# Altium PCB PS-010.PcbDoc (part 1 of 3) (continued)
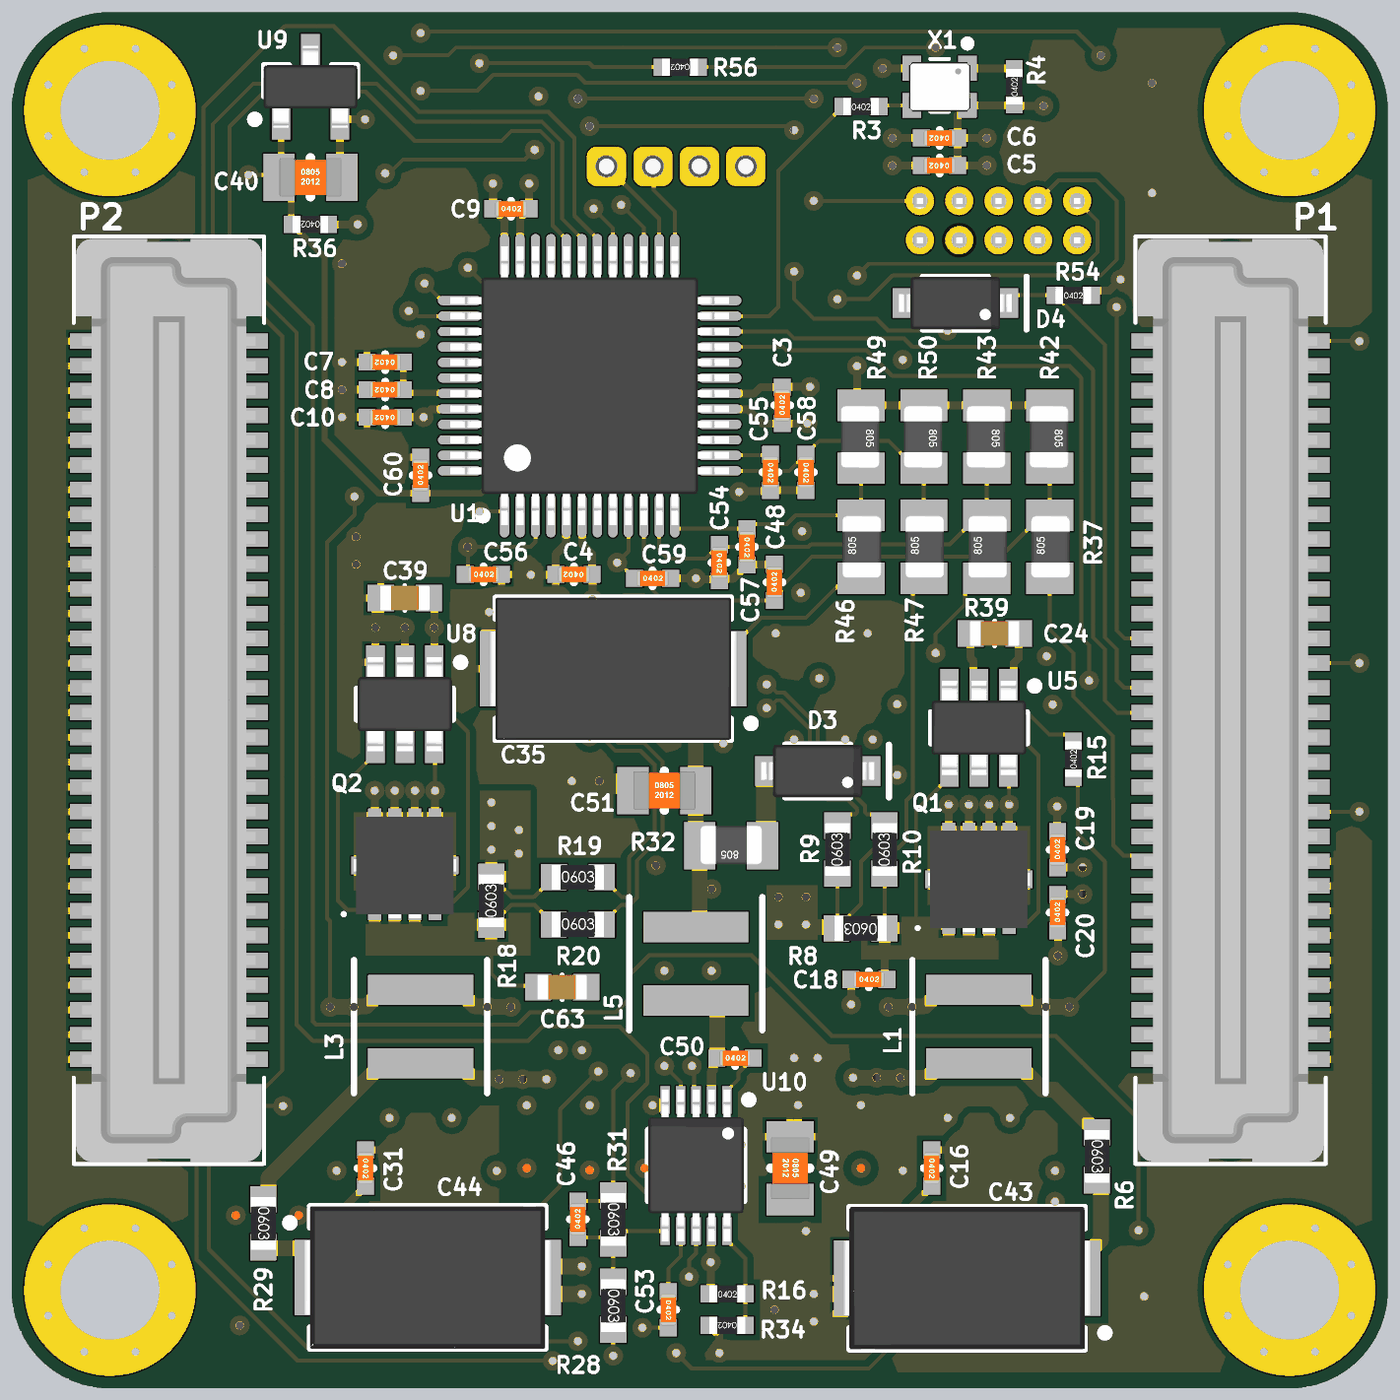
[diagram p7: 3D render of the assembled board from below, using the file's embedded part models]

## Layer stack, top to bottom
Top Solder: solder mask 0.5, Solder Resist, Dk 3.8
L1 - Top Layer: signal copper 1.4
Dielectric 2: prepreg 4, PP-006, Dk 4.05
L2 - GND: plane copper 0.689, net GND
Dielectric 1: core 50, Core-043, Dk 4.3
L3 - PWR: plane copper 0.689, net (Multiple Nets)
Dielectric 3: prepreg 4, PP-006, Dk 4.05
L4 - Bottom Layer: signal copper 1.4
Bottom Solder: solder mask 0.5, Solder Resist, Dk 3.8

## Board outline
1000,1125 1000,2625 cw(c1125,2625) 1125,2750 2625,2750 cw(c2625,2625) 2750,2625 2750,1125 cw(c2625,1125) 2625,1000 1125,1000 cw(c1125,1125)
board region "Default Layer Stack Region": 1000,1125 1000,2625 1000,2633.19 1002.14,2649.44 1006.38,2665.27 1012.65,2680.4 1020.84,2694.59 1030.82,2707.59 1042.4,2719.18 1055.4,2729.16 1069.59,2737.35 1084.73,2743.62 1100.56,2747.86 1116.81,2750 1125,2750 2625,2750 2633.19,2750 2649.44,2747.86 2665.27,2743.62 2680.4,2737.35 2694.6,2729.16 2707.6,2719.18 2719.18,2707.59 2729.16,2694.59 2737.35,2680.4 2743.62,2665.27 2747.86,2649.44 2750,2633.19 2750,2625 2750,1125 2750,1116.81 2747.86,1100.56 2743.62,1084.73 2737.35,1069.59 2729.16,1055.4 2719.18,1042.4 2707.6,1030.82 2694.6,1020.84 2680.41,1012.65 2665.27,1006.38 2649.44,1002.14 2633.19,1000 2625,1000 1125,1000 1116.81,1000 1100.56,1002.14 1084.73,1006.38 1069.6,1012.65 1055.4,1020.84 1042.4,1030.82 1030.82,1042.4 1020.84,1055.4 1012.65,1069.59 1006.38,1084.73 1002.14,1100.56 1000,1116.81
board region "Default Layer Stack Region": 1000,1125 1000,2625 1000,2633.19 1002.14,2649.44 1006.38,2665.27 1012.65,2680.4 1020.84,2694.59 1030.82,2707.59 1042.4,2719.18 1055.4,2729.16 1069.59,2737.35 1084.73,2743.62 1100.56,2747.86 1116.81,2750 1125,2750 2625,2750 2633.19,2750 2649.44,2747.86 2665.27,2743.62 2680.4,2737.35 2694.6,2729.16 2707.6,2719.18 2719.18,2707.59 2729.16,2694.59 2737.35,2680.4 2743.62,2665.27 2747.86,2649.44 2750,2633.19 2750,2625 2750,1125 2750,1116.81 2747.86,1100.56 2743.62,1084.73 2737.35,1069.59 2729.16,1055.4 2719.18,1042.4 2707.6,1030.82 2694.6,1020.84 2680.41,1012.65 2665.27,1006.38 2649.44,1002.14 2633.19,1000 2625,1000 1125,1000 1116.81,1000 1100.56,1002.14 1084.73,1006.38 1069.6,1012.65 1055.4,1020.84 1042.4,1030.82 1030.82,1042.4 1020.84,1055.4 1012.65,1069.59 1006.38,1084.73 1002.14,1100.56 1000,1116.81
board region "Layer Stack Region 1": 1000,1125 1000,2625 1000,2633.19 1002.14,2649.44 1006.38,2665.27 1012.65,2680.4 1020.84,2694.59 1030.82,2707.59 1042.4,2719.18 1055.4,2729.16 1069.59,2737.35 1084.73,2743.62 1100.56,2747.86 1116.81,2750 1125,2750 2625,2750 2633.19,2750 2649.44,2747.86 2665.27,2743.62 2680.41,2737.35 2694.6,2729.16 2707.6,2719.18 2719.18,2707.6 2729.16,2694.6 2737.35,2680.4 2743.62,2665.27 2747.86,2649.44 2750,2633.19 2750,2625 2750,1125 2750,1116.81 2747.86,1100.56 2743.62,1084.73 2737.35,1069.59 2729.16,1055.4 2719.18,1042.4 2707.6,1030.82 2694.6,1020.84 2680.41,1012.65 2665.27,1006.38 2649.44,1002.14 2633.19,1000 2625,1000 1125,1000 1116.81,1000 1100.56,1002.14 1084.73,1006.38 1069.59,1012.65 1055.4,1020.84 1042.4,1030.82 1030.82,1042.4 1020.84,1055.4 1012.65,1069.59 1006.38,1084.73 1002.14,1100.56 1000,1116.81

## Design rules (kind name [scope] priority, off if disabled: settings)
AssemblyTestPointUsage AssemblyTestPointUsage_1 [All] p2:
AssemblyTestpoint AssemblyTestpoint_1 [All] p2: testpointundercomponent=TRUE minsize=40 maxsize=100 preferedsize=60 minholesize=0 maxholesize=40 preferedholesize=32 testpointgrid=1 usegrid=TRUE gridtolerance=0.01 allowsidetop=TRUE allowsidebottom=TRUE
BoardOutlineClearance [All] p1: gap=20 ignorepadtopadclearanceinfootprint=FALSE except(0: Arc-SplitContinuation Track-SplitContinuation SMDPad-SplitContinuation THPad-SplitContinuation Via-SplitContinuation Fill-SplitContinuation Poly-SplitContinuation Region-SplitContinuation Text-SplitContinuation)
Clearance Clearance_HV [InNetClass('HIghVoltage')] p1: gap=6 ignorepadtopadclearanceinfootprint=FALSE except(10: Arc-Poly Track-Poly SMDPad-Poly THPad-Poly Via-Poly Fill-Poly Poly-Poly Poly-Region Poly-Text Poly-Hole)
Clearance [All] p2: gap=5 ignorepadtopadclearanceinfootprint=FALSE except(8: Arc-Poly Track-Poly SMDPad-Poly THPad-Poly Via-Poly Fill-Poly Poly-Poly Poly-Region Poly-Text Poly-Hole)
ComponentClearance ComponentClearance_Top [OnTop vs OnTop] p1: gap=10 collisioncheckmode=3 verticalgap=100000 showdistances=FALSE
ComponentClearance ComponentClearance_Bottom [OnBottom vs OnBottom] p2: gap=10 collisioncheckmode=3 verticalgap=100000 showdistances=FALSE
DiffPairsRouting [All] p1: maxlimit=5 minlimit=5 mostfreqgap=5 toplayer_minwidth=5 toplayer_maxwidth=5 toplayer_prefwidth=5 bottomlayer_minwidth=5 bottomlayer_maxwidth=5 bottomlayer_prefwidth=5 impedanceprofiledriven=TRUE impedanceprofileid={FBA8A629-7972-4F76-A7E5-5756DC662DF8} impedanceprofilevalue=100.000000 maxuncoupledlength=500
FabricationTestPointUsage FabricationTestPointUsage_1 [All] p2: valid=0 allowmultiple=FALSE
FabricationTestpoint FabricationTestpoint_1 [All] p2: side=3 testpointundercomponent=TRUE minsize=40 maxsize=100 preferedsize=60 minholesize=0 maxholesize=40 preferedholesize=32 testpointgrid=1 allowsidetop=TRUE allowsidebottom=TRUE usegrid=TRUE gridtolerance=0.01
FanoutControl Fanout_LCC [IsLCC] p1: bgadir=Out bgaviamode=Centered fanoutstyle=Auto fanoutdirection=Alternating viagrid=1 // Fanout_LCC (Default Rule)
FanoutControl Fanout_BGA [IsBGA] p2: bgadir=Out bgaviamode=Centered fanoutstyle=Auto fanoutdirection=Alternating viagrid=1 // Fanout_BGA (Default Rule)
FanoutControl Fanout_Default [All] p4: bgadir=Out bgaviamode=Centered fanoutstyle=Auto fanoutdirection=Alternating viagrid=1 // Fanout_Default (Default Rule)
FanoutControl Fanout_Small [(CompPinCount < 5)] p5: bgadir=Out bgaviamode=Centered fanoutstyle=Auto fanoutdirection=OutThenIn viagrid=1 // Fanout_Small (Default Rule)
FanoutControl Fanout_BGA_1 [IsBGA] p6: bgadir=Out bgaviamode=Centered fanoutstyle=Auto fanoutdirection=Alternating viagrid=1 // Fanout_BGA (Default Rule)
FanoutControl Fanout_LCC_1 [IsLCC] p7: bgadir=Out bgaviamode=Centered fanoutstyle=Auto fanoutdirection=Alternating viagrid=1 // Fanout_LCC (Default Rule)
FanoutControl Fanout_SOIC_1 [IsSOIC] p8: bgadir=Out bgaviamode=Centered fanoutstyle=Auto fanoutdirection=Alternating viagrid=1 // Fanout_SOIC (Default Rule)
FanoutControl Fanout_Small_1 [(CompPinCount < 5)] p9: bgadir=Out bgaviamode=Centered fanoutstyle=Auto fanoutdirection=OutThenIn viagrid=1 // Fanout_Small (Default Rule)
FanoutControl Fanout_Default_1 [All] p10: bgadir=Out bgaviamode=Centered fanoutstyle=Auto fanoutdirection=Alternating viagrid=1 // Fanout_Default (Default Rule)
Height Height_Bottom [TouchesRoom('BoardHeight_Bottom') and OnBottom and not ((Name='J1') or (Name='J2') or (Name='P1') or (Name='P2'))] p1: minheight=0 maxheight=152 prefheight=0
Height Height_Top [TouchesRoom('BoardHeight_Top') and OnTop and not ((Name='J1') or (Name='J2') or (Name='P1') or (Name='P2')  or Name='Mech*' )] p2: minheight=0 maxheight=310 prefheight=0
HoleSize [All] p1: absolutevalues=TRUE maxlimit=130 minlimit=10 maxpercent=80.000 minpercent=20.000
MinimumSolderMaskSliver [All] p1: minsoldermaskwidth=3.94
NetAntennae [not (InNet('DRAIN') and IsVia)] p1: netantennaetolerance=0
PlaneClearance [All] p1: clearance=10
PlaneConnect [All] p1: pad.planeconnectstyle=Relief pad.reliefexpansion=10 pad.reliefentries=4 pad.reliefconductorwidth=10 pad.reliefairgap=10 via.planeconnectstyle=Direct via.reliefexpansion=20 via.reliefentries=4 via.reliefconductorwidth=10 via.reliefairgap=10
PolygonConnect [All] p1: thpad.connectstyle=Relief thpad.reliefconductorwidth=10 thpad.reliefentries=4 thpad.polygonreliefangle="90 Angle" thpad.airgapwidth=10 smdpad.connectstyle=Relief smdpad.reliefconductorwidth=9 smdpad.reliefentries=4 smdpad.polygonreliefangle="90 Angle" smdpad.airgapwidth=5 via.connectstyle=Direct via.reliefconductorwidth=10 via.reliefentries=4 via.polygonreliefangle="90 Angle" via.airgapwidth=10
RoomDefinition BoardHeight_Top [False] p1: confinementstyle=ConfineIn formatcopy=TRUE lockcomponents=FALSE outline 2750,2750 1000,2750 1000,1000 2750,1000
RoomDefinition BoardHeight_Bottom [False] p2: confinementstyle=ConfineIn formatcopy=TRUE lockcomponents=FALSE outline 1000,2750 2750,2750 2750,1000 1000,1000
RoutingVias [All] p1: holewidth=10 width=25 viastyle="Through Hole" minholewidth=10 minwidth=25 maxholewidth=28 maxwidth=50
SilkToBoardRegionClearance SilkToBoardRegionClearance_1 [All] p2:
SilkToSilkClearance [All] p1: silktosilkclearance=2
SilkToSolderMaskClearance [IsPad] p1: minsilkscreentomaskgap=4 clearancetoexposedcopper=TRUE
SolderMaskExpansion [All] p1: expansion=1.97 istentingtop=FALSE
UnRoutedNet [All] p1: checkbadconnections=TRUE
Width [All] p1: maxlimit=25 minlimit=5 preferedwidth=10 minimp=50.000000 maximp=50.000000 favimp=50.000000
Width "Schematic Width Constraint_1" [InNet('XTAL')] p2: maxlimit=10 minlimit=10 preferedwidth=10
Width "Schematic Width Constraint" [InNet('NetR3_1')] p3: maxlimit=10 minlimit=10 preferedwidth=10
15 further rules are at their usual default settings.

## Classes and differential pairs
net class THRM: +5V +5V_INT +12V +VBAT DRAIN GND NetC16_2 NetC18_1
differential pair class CAN: CAN0 CAN1
component class Sheet6: C40 C48 C54 C55 C56 C57 C58 C59 R36 R37 R39 R40 R41 R42 R43 R44 R45 R46 R47 R48 R49 R50 R51 TP7 U9
net class HIghVoltage: +VBAT +VBAT_BOOTSTRAP +VBAT_FILT_A +VBAT_FILT_B NetC24_2 NetC39_2 NetC43_1 NetC44_1
component class Sheet5: C35 C46 C49 C50 C51 C52 C53 D3 L5 R16 R28 R30 R31 R32 R33 R34 TP10 U10
component class Sheet4: C27 C28 C29 C30 C31 C32 C34 C36 C37 C38 C39 C41 C44 C45 C47 C62 C63 L3 L4 Q2 R17 R18 R19 R20 R21 R22 R23 R24 R25 R29 R38 R53 TP4 TP5 TP9 U7 U8
component class Sheet3: C11 C14 C15 C16 C17 C18 C19 C20 C21 C22 C23 C24 C25 C26 C33 C43 C61 L1 L2 Q1 R6 R7 R8 R9 R10 R11 R12 R13 R14 R15 R35 R52 TP2 TP3 TP8 U4 U5 U6
component class Sheet1: C1 C2 C12 C13 C42 D1 D2 D5 J1 J2 MECH1 MECH2 MECH3 MECH4 P1 P2 P3 P4 R1 R26 R27 TP1 TP6 TP11 U2 U3
component class Sheet2: C3 C4 C5 C6 C7 C8 C9 C10 C60 D4 Q3 R2 R3 R4 R5 R54 R55 R56 R57 U1 X1
differential pair +12V_I_Sense: ++12V_I_Sense_P -+12V_I_Sense_N
differential pair +5V_I_Sense: ++5V_I_Sense_P -+5V_I_Sense_N
differential pair CAN1: +CAN1_P -CAN1_N
differential pair CAN0: +CAN0_P -CAN0_N

## Components (designator, comment, footprint, x,y, rotation, side; value= is the part's Value field where it differs from the comment)
C1 "1µF" SMD-0402C 1755,1880 r180 top
C2 "4.7µF" SMD-0805C 1795,2045 r0 top
C3 "0.10µF" SMD-0402C 1770,2250 r180 bottom
C4 "0.10µF" SMD-0402C 2035,2035 r90 bottom
C5 "0.10µF" SMD-0402C 1570,2555 r90 bottom
C6 "10000pF" SMD-0402C 1570,2590 r90 bottom
C7 "1µF" SMD-0402C 2275,2305 r90 bottom
C8 "0.10µF" SMD-0402C 2275,2270 r90 bottom
C9 "0.10µF" SMD-0402C 2115,2500 r270 bottom
C10 "0.10µF" SMD-0402C 2275,2235 r90 bottom
C11 "1µF" SMD-0805C 1380,1280 r180 top
C12 "0.10µF" SMD-0402C 1490,1930 r270 top
C13 "0.10µF" SMD-0402C 1585,2285 r180 top
C14 "1µF" SMD-0805C 1670,1280 r180 top
C15 "1µF" SMD-0805C 1750,1280 r180 top
C16 "0.10µF" SMD-0402C 1580,1280 r0 bottom
C17 "1µF" SMD-0805C 1740,1500 r0 top
C18 "0.10µF" SMD-0402C 1660,1520 r270 bottom
C19 "1µF" SMD-0402C 1420,1685 r180 bottom
C20 "0.10µF" SMD-0402C 1420,1605 r180 bottom
C21 "10000pF" SMD-0402C 1420,1140 r180 top
C22 "1µF" SMD-0402C 1680,1200 r270 top
C23 "4.7pF" SMD-0402C 1620,1077 r180 top
C24 "0.10µF" SMD-0603C 1500,1960 r90 bottom
C25 "0.10µF" SMD-0402C 1995,1970 r270 top
C26 "1µF" SMD-0402C 1825,1880 r180 top
C27 "1µF" SMD-0805C 2465,1220 r180 top
C28 "1µF" SMD-0805C 2095,1280 r180 top
C29 "1µF" SMD-0805C 2015,1280 r180 top
C30 "1µF" SMD-0805C 1935,1280 r180 top
C31 "0.10µF" SMD-0402C 2300,1280 r0 bottom
C32 "1µF" SMD-0805C 2040,1510 r0 top
C33 "T521W476M016ATE045" "KEMET W - CAPMP7343X15N" 1880,1700 r0 top value=47uF
C34 "T521W476M016ATE045" "KEMET W - CAPMP7343X15N" 2240,1960 r90 top value=47uF
C35 "T521W476M016ATE045" "KEMET W - CAPMP7343X15N" 1985,1915 r0 bottom locked value=47uF
C36 "10000pF" SMD-0402C 2140,1160 r180 top
C37 "1µF" SMD-0402C 2330,1150 r180 top
C38 "4.7pF" SMD-0402C 2260,1070 r270 top
C39 "0.10µF" SMD-0603C 2250,2005 r90 bottom
C40 "4.7µF" SMD-0805C 2370,2540 r270 bottom
C41 "1µF" SMD-0402C 2120,1854.41 r180 top
C42 "0.10µF" SMD-0402C 1690,1880 r0 top
C43 "T521D226M050ATE090" "KEMET D - CAPMP7343X31N" 1535,1140 r0 bottom value=22uF
C44 "T521D226M050ATE090" "KEMET D - CAPMP7343X31N" 2221,1141 r180 bottom value=22uF
C45 "1µF" SMD-0805C 2385,1220 r180 top
C46 "10pF" SMD-0402C 2030,1215 r180 bottom
C47 "1µF" SMD-0805C 2369,2087 r0 top
C48 "0.10µF" SMD-0402C 1780,2025 r180 bottom
C49 "1µF" SMD-0805C 1760,1280 r0 bottom
C50 "0.10µF" SMD-0402C 1830,1420 r270 bottom
C51 "1µF" SMD-0805C 1920,1760 r270 bottom
C52 "10000pF" SMD-0402C 1860,1470 r0 top
C53 "1µF" SMD-0402C 1915,1100 r0 bottom
C54 "0.10µF" SMD-0402C 1850,2050 r0 bottom
C55 "0.10µF" SMD-0402C 1785,2165 r0 bottom
C56 "0.10µF" SMD-0402C 2150,2035 r270 bottom
C57 "0.10µF" SMD-0402C 1815,2070 r0 bottom
C58 "0.10µF" SMD-0402C 1740,2165 r0 bottom
C59 "0.10µF" SMD-0402C 1935,2030 r270 bottom
C60 "0.10µF" SMD-0402C 2230,2161 r180 bottom
C61 "1µF" SMD-0402C 1860,2175 r180 top
C62 "1µF" SMD-0402C 2130,2205 r0 top
C63 "0.10µF" SMD-0603C 2050,1510 r90 bottom
D1 "SBR0560S1Q-7" SOD123 1530,1870 r180 top
D2 "SBR0560S1Q-7" SOD123 1530,1780 r180 top
D3 "SBR0560S1Q-7" SOD123 1725,1785 r0 bottom
D4 "1N4148WQ-7-F" SOD123 1550,2380 r0 bottom
D5 "1N4148WQ-7-F" SOD123 1700,2125 r90 top
J1 "10144517-062802LF" 10144517-062802LF 1200,1875 r90 top locked
J2 "10144517-062802LF" 10144517-062802LF 2550,1875 r90 top locked
L1 "XGL4020-331ME" "INDM4040X21N (XGL4020)" 1520,1460 r270 bottom value=330nH
L2 "744314330" "INDM7050X50N (Wurth)" 1520,1520 r90 top value=3.3uH
L3 "XGL4020-251ME" "INDM4040X21N (XGL4020)" 2230,1460 r270 bottom value=250nH
L4 "744314330" "INDM7050X50N (Wurth)" 2230,1520 r90 top value=3.3uH
L5 "XGL4020-822ME" "INDM4040X21N (XGL4020)" 1880,1540 r90 bottom value=8.2uH
MECH1 "M2107-3005-SS" M2107-3005-SS 1125,2625 r0 top
MECH2 "M2107-3005-SS" M2107-3005-SS 2625,2625 r0 top
MECH3 "M2107-3005-SS" M2107-3005-SS 2625,1125 r0 top
MECH4 "M2107-3005-SS" M2107-3005-SS 1125,1125 r0 top
P1 "10144518-064802LF" 10144518-064802LF 1200,1875 r270 bottom locked
P2 "10144518-064802LF" 10144518-064802LF 2550,1875 r270 bottom locked
P3 "2x5_0.05_SWD" 2x5_0.05_R 1495,2460 r180 top locked
P4 "S4B-ZR(LF)(SN)" S4B-ZR(LF)(SN) 1905,2735 r180 top locked
Q1 "NVTFWS003N04CTAG" DFN065P305X80-8N 1520,1647.28 r0 bottom
Q2 "NVTFWS003N04CTAG" DFN065P305X80-8N 2250,1665 r0 bottom
Q3 "BSS84AK,215" "SOT95P230X110-3N (BSS84)" 2150,2630 r270 top
R1 "120" SMD-0805-RES 1490,2295 r90 top
R2 "1k" SMD-0402-RES 1890,2465 r90 top
R3 "22" SMD-0402-RES 1670,2630 r270 bottom
R4 "1k" SMD-0402-RES 1475,2655 r180 bottom
R5 "10k" SMD-0402-RES 2120,2465 r90 top
R6 "0.15" SMD-0603-RES 1370,1295 r0 bottom
R7 "100k" SMD-0402-RES 1975,2395 r270 top
R8 "0.005" SMD-0603-RES 1670.51,1585 r90 bottom
R9 "2.2" SMD-0603-RES 1700,1685 r180 bottom
R10 "2.2" SMD-0603-RES 1640,1685 r180 bottom